# Allegro board SG2042_EVB_V2_0.brd (continued)
## Routing (per net, layer and track width the routed paths; a pad name or vN(x,y) marks a point on that pad's centre or on a via; arc(x,y) is an arc through that point) (continued)
DDR0_DQ43: length 58
  TOP w0.173: U1.BR55 v1(143.75,194.05)
  BOTTOM w0.173: J1.260 180.42,181.53 arc(179.88,181.42) 179.42,181.11 179.35,181.03 arc(178.95,180.77) 178.48,180.68 178.44,180.68 arc(177.98,180.77) 177.58,181.03 177.5,181.11 arc(177.04,181.42) 176.5,181.52 175.72,181.52 arc(175.18,181.42) 174.73,181.11 174.7,181.09 arc(174.24,180.78) 173.7,180.68 172.92,180.68 arc(172.38,180.78) 171.93,181.09 171.85,181.17 arc(171.45,181.43) 170.98,181.52 170.95,181.52 arc(170.48,181.43) 170.08,181.17 169.95,181.03 arc(169.55,180.77) 169.08,180.68 169.05,180.68 arc(168.58,180.77) 168.18,181.03 168.1,181.11 arc(167.64,181.42) 167.11,181.52 166.4,181.52 165.73,182.2 165.49,182.2 164.47,181.19 164.23,181.19 163.92,181.49 163.92,181.73 164.94,182.75 164.94,182.99 164.63,183.3 164.39,183.3 163.37,182.28 163.13,182.28 162.82,182.59 162.82,182.83 163.84,183.85 163.84,184.09 163.53,184.4 163.29,184.4 162.28,183.38 162.03,183.38 161.73,183.69 161.73,183.93 162.74,184.95 162.74,185.19 162.43,185.5 162.19,185.5 161.18,184.48 160.93,184.48 159.66,185.75 148.56,185.75 144.25,190.06 144.25,193.55 v1(143.75,194.05)
DDR0_DQ44: length 66.8
  TOP w0.173: U1.BN52 v1(140.75,196.05)
  BOTTOM w0.173: v1(140.75,196.05) 141.25,195.55 145.82,195.55 148.76,192.61 149,192.61 149.35,192.95 149.59,192.95 149.9,192.65 149.9,192.4 149.55,192.06 149.55,191.81 149.86,191.51 150.1,191.51 150.45,191.85 150.69,191.85 151,191.55 151,191.3 150.65,190.96 150.65,190.71 151.34,190.03 152.02,190.03 152.19,190.2 152.19,191.32 152.36,191.49 152.79,191.49 152.97,191.32 152.97,190.2 153.14,190.03 153.57,190.03 153.74,190.2 153.74,191.32 153.92,191.49 154.35,191.49 154.52,191.32 154.52,190.2 154.69,190.03 155.13,190.03 155.3,190.2 155.3,191.32 155.47,191.49 155.9,191.49 156.08,191.32 156.08,190.2 156.25,190.03 156.68,190.03 156.85,190.2 156.85,191.32 157.03,191.49 157.46,191.49 157.63,191.32 157.63,190.2 157.8,190.03 158.24,190.03 158.41,190.2 158.41,191.32 158.58,191.49 159.01,191.49 159.19,191.32 159.19,190.2 159.36,190.03 159.79,190.03 159.96,190.2 159.96,191.32 160.14,191.49 160.57,191.49 160.74,191.32 160.74,190.2 160.91,190.03 161.34,190.03 161.52,190.2 161.52,191.32 161.69,191.49 162.12,191.49 162.29,191.32 162.29,190.2 162.47,190.03 162.9,190.03 163.07,190.2 163.07,191.32 163.24,191.49 163.68,191.49 163.85,191.32 163.85,190.2 164.02,190.03 164.45,190.03 164.63,190.2 164.63,191.24 164.8,191.41 165.23,191.41 165.4,191.24 165.4,190.2 165.58,190.03 167.1,190.03 arc(167.64,189.92) 168.1,189.61 168.18,189.53 arc(168.58,189.27) 169.05,189.17 169.08,189.17 arc(169.55,189.27) 169.95,189.53 170.08,189.67 arc(170.48,189.93) 170.95,190.03 170.98,190.03 arc(171.45,189.93) 171.85,189.67 171.93,189.59 arc(172.38,189.28) 172.92,189.17 173.7,189.17 arc(174.24,189.28) 174.7,189.59 174.73,189.61 arc(175.18,189.92) 175.72,190.03 J1.106
DDR0_DQ45: length 65
  TOP w0.173: U1.BR52 v1(140.75,194.05)
  BOTTOM w0.173: J1.251 178.52,189.18 arc(177.98,189.07) 177.52,188.76 177.5,188.74 arc(177.04,188.43) 176.5,188.32 175.72,188.32 arc(175.18,188.22) 174.73,187.91 174.7,187.89 arc(174.24,187.58) 173.7,187.48 172.92,187.48 arc(172.38,187.58) 171.93,187.89 171.85,187.97 arc(171.45,188.23) 170.98,188.32 170.95,188.32 arc(170.48,188.23) 170.08,187.97 169.95,187.83 arc(169.55,187.57) 169.08,187.48 169.05,187.48 arc(168.58,187.57) 168.18,187.83 168.1,187.91 arc(167.64,188.22) 167.11,188.32 165.5,188.32 165.33,188.5 165.33,189.08 165.15,189.25 164.72,189.25 164.55,189.08 164.55,187.95 164.38,187.78 163.95,187.78 163.77,187.95 163.77,189.08 163.6,189.25 163.17,189.25 163,189.08 163,187.95 162.82,187.78 162.39,187.78 162.22,187.95 162.22,189.08 162.05,189.25 161.61,189.25 161.44,189.08 161.44,187.95 161.27,187.78 160.84,187.78 160.66,187.95 160.66,189.08 160.49,189.25 160.06,189.25 159.89,189.08 159.89,187.95 159.71,187.78 159.28,187.78 159.11,187.95 159.11,189.08 158.94,189.25 158.5,189.25 158.33,189.08 158.33,187.95 158.16,187.78 157.73,187.78 157.55,187.95 157.55,189.08 157.38,189.25 156.95,189.25 156.78,189.08 156.78,187.95 156.6,187.78 156.17,187.78 156,187.95 156,189.08 155.83,189.25 155.4,189.25 155.22,189.08 155.22,187.95 155.05,187.78 154.62,187.78 154.45,187.95 154.45,189.08 154.27,189.25 153.84,189.25 153.67,189.08 153.67,187.95 153.5,187.78 153.06,187.78 152.89,187.95 152.89,189.08 152.72,189.25 151.02,189.25 145.72,194.55 141.25,194.55 v1(140.75,194.05)
DDR0_DQ46: length 59.1
  TOP w0.173: U1.BT53 v1(141.75,193.05)
  ART14 w0.15: v1(141.75,193.05) 141.41,192.71 141.41,190.23 154.93,176.71 159.89,176.71 162.24,179.05 162.24,179.27 161.4,180.11 161.4,180.32 161.7,180.62 161.91,180.62 162.75,179.78 162.97,179.78 163.27,180.08 163.27,180.3 162.43,181.14 162.43,181.35 162.73,181.65 162.94,181.65 163.78,180.81 164,180.81 164.3,181.11 164.3,181.33 163.46,182.17 163.46,182.38 163.76,182.68 163.97,182.68 164.81,181.84 165.02,181.84 165.33,182.14 165.33,182.35 164.49,183.2 164.49,183.41 164.79,183.71 165,183.71 165.84,182.87 166.05,182.87 166.41,183.22 167.1,183.22 arc(167.64,183.12) 168.1,182.81 168.18,182.74 arc(168.58,182.47) 169.05,182.38 169.08,182.38 arc(169.55,182.47) 169.95,182.74 170.08,182.86 arc(170.48,183.13) 170.95,183.22 170.98,183.22 arc(171.45,183.13) 171.85,182.86 171.92,182.79 arc(172.38,182.48) 172.92,182.38 173.82,182.38 arc(174.92,182.59) 175.85,183.21 J1.113
DDR0_DQ47: length 59.3
  TOP w0.173: U1.BT52 v1(140.75,193.05)
  ART14 w0.15: J1.258 182.11,183.22 180.42,183.22 arc(179.88,183.12) 179.42,182.81 179.35,182.74 arc(178.95,182.47) 178.48,182.38 178.45,182.38 arc(177.98,182.28) 177.58,182.01 177.5,181.94 arc(177.04,181.63) 176.5,181.52 175.72,181.52 arc(175.18,181.42) 174.72,181.11 174.7,181.09 arc(174.24,180.78) 173.7,180.68 172.92,180.68 arc(172.38,180.78) 171.92,181.09 171.85,181.16 arc(171.45,181.43) 170.98,181.52 170.95,181.52 arc(170.48,181.43) 170.08,181.16 169.95,181.04 arc(169.55,180.77) 169.08,180.68 169.05,180.68 arc(168.58,180.77) 168.18,181.04 168.1,181.11 arc(167.64,181.42) 167.1,181.52 166.41,181.52 165.67,180.79 165.67,180.57 166.13,180.11 166.13,179.9 165.83,179.6 165.62,179.6 165.16,180.06 164.95,180.06 164.64,179.76 164.64,179.54 165.11,179.08 165.11,178.87 164.8,178.57 164.59,178.57 164.13,179.03 163.92,179.03 163.61,178.73 163.61,178.52 164.08,178.05 164.08,177.84 163.77,177.54 163.56,177.54 163.1,178 162.89,178 160.93,176.05 154.66,176.05 140.75,189.96 v1(140.75,193.05)
DDR0_DQ48: length 66.3
  TOP w0.173: U1.BH51 v1(139.75,201.05)
  ART05 w0.135: v1(139.75,201.05) 140.25,200.55 144.97,200.55 145.33,200.91 148.45,200.91 149.73,199.63 149.92,199.63 150.69,200.4 150.88,200.4 151.18,200.11 151.18,199.92 150.4,199.14 150.4,198.95 150.7,198.66 150.89,198.66 151.66,199.43 151.85,199.43 152.15,199.13 152.15,198.94 151.37,198.17 151.37,197.98 151.67,197.69 151.86,197.69 152.63,198.46 152.82,198.46 153.12,198.16 153.12,197.97 152.34,197.2 152.34,197.01 152.64,196.72 152.83,196.72 153.6,197.49 153.79,197.49 154.09,197.19 154.09,197 153.31,196.23 153.31,196.04 153.61,195.75 153.8,195.75 154.57,196.52 154.76,196.52 155.06,196.22 155.06,196.03 154.28,195.26 154.28,195.07 154.58,194.77 154.77,194.77 155.54,195.55 155.73,195.55 156.03,195.25 156.03,195.06 155.25,194.29 155.25,194.1 155.55,193.8 155.74,193.8 156.51,194.58 156.7,194.58 157,194.28 157,194.09 156.22,193.32 156.22,193.13 164.92,184.43 164.92,181.18 166.28,179.82 167.13,179.82 arc(167.65,179.72) 168.08,179.43 168.18,179.34 arc(168.58,179.07) 169.05,178.98 169.08,178.98 arc(169.55,179.07) 169.95,179.34 170.08,179.46 arc(170.48,179.73) 170.95,179.82 170.98,179.82 arc(171.45,179.73) 171.85,179.46 171.92,179.39 arc(172.38,179.08) 172.93,178.98 J1.119
DDR0_DQ49: length 65.2
  TOP w0.173: U1.BH52 v1(140.75,201.05)
  ART05 w0.135: J1.264 180.42,178.13 arc(179.88,178.23) 179.42,178.54 179.35,178.61 arc(178.95,178.88) 178.48,178.98 178.45,178.98 arc(177.98,179.07) 177.57,179.34 177.5,179.41 arc(177.04,179.72) 176.5,179.82 175.73,179.82 arc(175.18,179.93) 174.72,180.24 174.7,180.26 arc(174.24,180.57) 173.7,180.68 172.93,180.68 arc(172.38,180.78) 171.92,181.09 171.85,181.16 arc(171.45,181.43) 170.98,181.52 170.95,181.52 arc(170.48,181.43) 170.08,181.16 169.95,181.04 arc(169.55,180.77) 169.08,180.68 169.05,180.68 arc(168.58,180.77) 168.18,181.04 168.1,181.11 arc(167.64,181.42) 167.1,181.52 166.4,181.52 165.55,182.38 165.55,184.69 165.43,184.81 162.68,187.57 162.68,187.76 163.31,188.39 163.31,188.58 163.02,188.88 162.82,188.88 162.19,188.24 162,188.24 161.71,188.54 161.71,188.73 162.34,189.36 162.34,189.55 162.04,189.85 161.85,189.85 161.22,189.21 161.03,189.21 160.74,189.51 160.74,189.7 161.37,190.33 161.37,190.52 161.07,190.82 160.88,190.82 160.25,190.18 160.06,190.18 159.77,190.48 159.77,190.67 160.4,191.3 160.4,191.49 160.1,191.79 159.91,191.79 159.28,191.15 159.09,191.15 158.8,191.45 158.8,191.64 159.43,192.27 159.43,192.46 159.13,192.76 158.94,192.76 158.31,192.12 158.12,192.12 157.83,192.42 157.83,192.61 158.6,193.38 158.6,193.57 150.62,201.55 141.25,201.55 v1(140.75,201.05)
DDR0_DQ50: length 64
  TOP w0.173: U1.BJ52 v1(140.75,200.05)
  ART07 w0.135: v1(140.75,200.05) 141.25,199.55 145.08,199.55 158.72,185.91 158.91,185.91 159.84,186.83 160.03,186.83 160.32,186.54 160.32,186.35 159.4,185.42 159.4,185.23 159.69,184.94 159.88,184.94 160.81,185.86 161,185.86 161.29,185.57 161.29,185.38 160.37,184.45 160.37,184.26 160.66,183.97 160.85,183.97 161.78,184.89 161.97,184.89 162.26,184.6 162.26,184.41 161.34,183.48 161.34,183.29 162.24,182.39 162.24,178.91 162.81,178.34 163,178.34 163.26,178.61 163.45,178.61 163.75,178.31 163.75,178.12 163.48,177.86 163.48,177.67 163.78,177.37 163.97,177.37 164.23,177.64 164.42,177.64 164.72,177.34 164.72,177.15 164.45,176.89 164.45,176.7 164.75,176.4 164.94,176.4 165.2,176.67 165.39,176.67 165.69,176.37 165.69,176.18 165.42,175.92 165.42,175.72 166.42,174.73 167.13,174.73 arc(167.67,174.62) 168.13,174.31 168.22,174.23 arc(168.61,173.97) 169.06,173.87 169.09,173.87 arc(169.55,173.97) 169.94,174.23 170.08,174.36 arc(170.48,174.63) 170.95,174.73 170.98,174.73 arc(171.45,174.63) 171.85,174.36 171.92,174.29 arc(172.38,173.98) 172.93,173.87 173.7,173.87 arc(174.24,173.98) 174.7,174.29 174.72,174.31 arc(175.18,174.62) 175.73,174.73 176.23,174.73 arc(177.02,174.57) 177.69,174.12 177.98,173.84 arc(178.22,173.46) J1.126
DDR0_DQ51: length 63
  TOP w0.173: U1.BL51 v1(139.75,198.05)
  ART07 w0.135: v1(139.75,198.05) 140.25,198.55 144.97,198.55 161.61,181.9 161.61,177.83 162.17,177.28 162.17,177.09 161.61,176.53 161.61,176.34 161.91,176.04 162.1,176.04 162.65,176.6 162.84,176.6 163.14,176.31 163.14,176.12 162.58,175.56 162.58,175.37 162.88,175.07 163.07,175.07 163.63,175.63 163.82,175.63 164.11,175.34 164.11,175.15 163.55,174.59 163.55,174.4 163.85,174.1 164.04,174.1 164.6,174.66 164.79,174.66 165.08,174.37 165.08,174.18 164.52,173.62 164.52,173.43 164.82,173.13 165.01,173.13 165.57,173.69 165.76,173.69 166.42,173.03 167.1,173.03 arc(167.64,172.92) 168.1,172.61 168.18,172.54 arc(168.58,172.27) 169.05,172.17 169.08,172.17 arc(169.55,172.27) 169.95,172.54 170.08,172.66 arc(170.48,172.93) 170.95,173.03 170.98,173.03 arc(171.45,172.93) 171.85,172.66 171.92,172.59 arc(172.38,172.28) 172.93,172.17 173.7,172.17 arc(174.24,172.28) 174.7,172.59 174.72,172.61 arc(175.18,172.92) 175.73,173.03 176.5,173.03 arc(177.04,172.92) 177.5,172.61 177.52,172.59 arc(177.98,172.28) 178.52,172.18 J1.271
DDR0_DQ52: length 72
  TOP w0.173: U1.BH49 v1(137.75,201.05)
  ART07 w0.135: J1.117 172.93,180.68 arc(172.38,180.78) 171.92,181.09 171.85,181.16 arc(171.45,181.43) 170.98,181.52 170.95,181.52 arc(170.48,181.43) 170.08,181.16 169.95,181.04 arc(169.55,180.77) 169.08,180.68 169.05,180.68 arc(168.58,180.77) 168.18,181.04 168.08,181.13 arc(167.65,181.42) 167.13,181.52 166.4,181.52 165.23,182.7 165.23,184.53 161.82,187.94 161.82,188.13 162.64,188.94 162.64,189.13 162.34,189.42 162.15,189.42 161.34,188.61 161.15,188.61 160.85,188.91 160.85,189.1 161.67,189.91 161.67,190.1 161.37,190.39 161.18,190.39 160.37,189.58 160.18,189.58 159.88,189.88 159.88,190.07 160.7,190.88 160.7,191.07 160.4,191.36 160.21,191.36 159.4,190.55 159.21,190.55 158.91,190.85 158.91,191.04 159.73,191.85 159.73,192.04 159.43,192.33 159.24,192.33 158.43,191.52 158.24,191.52 157.94,191.82 157.94,192.01 158.76,192.82 158.76,193.01 158.46,193.31 158.27,193.31 157.46,192.49 157.27,192.49 156.97,192.79 156.97,192.98 157.79,193.79 157.79,193.98 157.49,194.28 157.3,194.28 156.49,193.46 156.3,193.46 156,193.76 156,193.95 156.82,194.76 156.82,194.95 156.52,195.25 156.33,195.25 155.52,194.43 155.33,194.43 155.03,194.73 155.03,194.92 155.85,195.73 155.85,195.92 155.55,196.22 155.36,196.22 154.55,195.4 154.36,195.4 154.06,195.7 154.06,195.89 154.87,196.7 154.87,196.89 150.22,201.55 138.25,201.55 v1(137.75,201.05)
DDR0_DQ53: length 68.5
  TOP w0.173: U1.BM50 v1(138.75,197.05)
  ART07 w0.135: v1(138.75,197.05) 139.25,197.55 139.25,200.26 139.54,200.55 148.32,200.55 149.23,199.64 149.42,199.64 150.2,200.43 150.4,200.43 150.69,200.13 150.69,199.94 149.9,199.16 149.9,198.97 150.2,198.67 150.39,198.67 151.18,199.46 151.37,199.46 151.66,199.16 151.66,198.97 150.87,198.19 150.87,198 151.17,197.7 151.36,197.7 152.15,198.49 152.34,198.49 152.63,198.19 152.63,198 151.84,197.22 151.84,197.03 152.14,196.73 152.33,196.73 153.12,197.52 153.31,197.52 153.6,197.22 153.6,197.03 152.81,196.25 152.81,196.06 164.6,184.27 164.6,181.63 166.4,179.82 167.13,179.82 arc(167.65,179.72) 168.08,179.43 168.18,179.34 arc(168.58,179.07) 169.05,178.98 169.08,178.98 arc(169.55,179.07) 169.95,179.34 170.08,179.46 arc(170.48,179.73) 170.95,179.82 170.98,179.82 arc(171.45,179.73) 171.85,179.46 171.92,179.39 arc(172.38,179.08) 172.93,178.98 173.7,178.98 arc(174.24,179.08) 174.7,179.39 174.72,179.41 arc(175.18,179.72) 175.73,179.82 176.5,179.82 arc(177.04,179.93) 177.5,180.24 177.57,180.31 arc(177.98,180.58) 178.45,180.68 178.48,180.68 arc(178.95,180.58) 179.35,180.31 179.42,180.24 arc(179.88,179.93) 180.42,179.83 J1.262
DDR0_DQ54: length 70.2
  TOP w0.173: U1.BL49 v1(137.75,198.05)
  ART05 w0.135: J1.124 175.73,174.73 arc(175.18,174.62) 174.72,174.31 174.7,174.29 arc(174.24,173.98) 173.7,173.87 172.93,173.87 arc(172.38,173.98) 171.92,174.29 171.85,174.36 arc(171.45,174.63) 170.98,174.73 170.95,174.73 arc(170.48,174.63) 170.08,174.36 169.95,174.24 arc(169.55,173.97) 169.08,173.87 169.05,173.87 arc(168.58,173.97) 168.18,174.24 168.1,174.31 arc(167.64,174.62) 167.1,174.73 166.4,174.73 161.88,179.24 161.88,183.17 159.05,186.01 157.6,186.01 156.97,186.64 156.78,186.64 156.38,186.23 156.19,186.23 155.89,186.53 155.89,186.72 156.3,187.12 156.3,187.31 156,187.61 155.81,187.61 155.41,187.2 155.22,187.2 154.92,187.5 154.92,187.69 155.33,188.09 155.33,188.28 155.03,188.58 154.84,188.58 154.44,188.17 154.25,188.17 153.95,188.47 153.95,188.66 154.35,189.06 154.35,189.25 154.06,189.55 153.87,189.55 153.47,189.14 153.28,189.14 152.98,189.44 152.98,189.63 153.38,190.03 153.38,190.22 153.09,190.52 152.9,190.52 152.5,190.11 152.31,190.11 152.01,190.41 152.01,190.6 152.41,191 152.41,191.19 152.12,191.49 151.93,191.49 151.53,191.08 151.34,191.08 151.04,191.38 151.04,191.57 151.44,191.97 151.44,192.16 151.15,192.46 150.96,192.46 150.56,192.05 150.37,192.05 150.07,192.35 150.07,192.54 150.47,192.94 150.47,193.13 150.18,193.43 149.99,193.43 149.59,193.02 149.4,193.02 149.1,193.32 149.1,193.51 149.5,193.91 149.5,194.1 149.21,194.4 149.02,194.4 148.62,194 148.43,194 148.13,194.29 148.13,194.48 148.53,194.88 148.53,195.07 148.24,195.37 148.05,195.37 147.65,194.97 147.45,194.97 147.16,195.26 147.16,195.45 147.56,195.85 147.56,196.04 147.27,196.34 147.08,196.34 146.68,195.94 146.48,195.94 146.19,196.23 146.19,196.42 146.82,197.05 146.82,197.24 146.53,197.54 146.34,197.54 145.7,196.91 145.51,196.91 144.87,197.55 138.25,197.55 v1(137.75,198.05)
DDR0_DQ55: length 67.7
  TOP w0.173: U1.BM52 v1(140.75,197.05)
  ART05 w0.135: J1.269 178.52,173.88 arc(177.98,173.77) 177.52,173.46 177.5,173.44 arc(177.04,173.13) 176.5,173.03 175.73,173.03 arc(175.18,172.92) 174.72,172.61 174.7,172.59 arc(174.24,172.28) 173.7,172.17 172.93,172.17 arc(172.38,172.28) 171.92,172.59 171.85,172.66 arc(171.45,172.93) 170.98,173.03 170.95,173.03 arc(170.48,172.93) 170.08,172.66 169.95,172.54 arc(169.55,172.27) 169.08,172.17 169.05,172.17 arc(168.58,172.27) 168.18,172.54 168.1,172.61 arc(167.64,172.92) 167.1,173.03 166.42,173.03 161.25,178.2 161.25,182.69 158.56,185.38 156.15,185.38 151.15,190.38 150.96,190.38 150.09,189.5 149.9,189.5 149.6,189.79 149.6,189.98 150.48,190.86 150.48,191.05 150.18,191.35 149.99,191.35 149.12,190.47 148.93,190.47 148.63,190.77 148.63,190.96 149.51,191.83 149.51,192.02 149.21,192.32 149.02,192.32 148.14,191.44 147.96,191.44 147.66,191.74 147.66,191.93 148.54,192.8 148.54,192.99 148.24,193.29 148.05,193.29 147.17,192.41 146.98,192.41 146.69,192.71 146.69,192.9 147.57,193.77 147.57,193.96 147.27,194.26 147.08,194.26 146.25,193.43 146.2,193.38 146.01,193.38 145.72,193.68 145.72,193.87 146.25,194.4 146.6,194.74 146.6,194.93 144.98,196.55 141.25,196.55 v1(140.75,197.05)
DDR0_DQ56: length 66.9
  TOP w0.173: U1.BP51 v1(139.75,195.05)
  ART05 w0.135: v1(139.75,195.05) 140.25,194.55 140.25,192.82 146.18,186.89 146.18,186.7 145.47,185.99 145.47,185.8 145.76,185.51 145.95,185.51 146.66,186.22 146.85,186.22 147.15,185.92 147.15,185.73 146.44,185.02 146.44,184.83 146.73,184.54 146.92,184.54 147.63,185.25 147.82,185.25 148.12,184.95 148.12,184.76 147.41,184.05 147.41,183.86 147.7,183.57 147.89,183.57 148.6,184.28 148.79,184.28 149.09,183.98 149.09,183.79 148.38,183.08 148.38,182.89 148.67,182.6 148.86,182.6 149.57,183.31 149.76,183.31 150.06,183.01 150.06,182.82 149.35,182.11 149.35,181.92 149.64,181.63 149.83,181.63 150.54,182.34 150.73,182.34 151.03,182.04 151.03,181.85 150.32,181.14 150.32,180.95 150.61,180.66 150.8,180.66 151.51,181.37 151.7,181.37 152,181.07 152,180.88 151.29,180.17 151.29,179.98 154.55,176.72 156.88,176.72 162.28,171.33 167.1,171.33 arc(167.64,171.22) 168.1,170.91 168.18,170.84 arc(168.58,170.57) 169.05,170.47 169.08,170.47 arc(169.55,170.57) 169.95,170.84 170.08,170.96 arc(170.48,171.23) 170.95,171.33 170.98,171.33 arc(171.45,171.23) 171.85,170.96 171.92,170.89 arc(172.38,170.58) 172.93,170.47 173.7,170.47 arc(174.24,170.58) 174.7,170.89 174.72,170.91 arc(175.18,171.22) 175.73,171.33 176.23,171.33 arc(177.02,171.17) 177.69,170.72 177.98,170.44 arc(178.22,170.06) J1.130
DDR0_DQ57: length 68.2
  TOP w0.173: U1.BN50 v1(138.75,196.05)
  ART05 w0.135: J1.275 178.52,168.78 arc(177.98,168.88) 177.52,169.19 177.5,169.21 arc(177.04,169.52) 176.5,169.63 175.73,169.63 arc(175.18,169.52) 174.72,169.21 174.7,169.19 arc(174.24,168.88) 173.7,168.77 172.93,168.77 arc(172.38,168.88) 171.92,169.19 171.85,169.26 arc(171.45,169.53) 170.98,169.63 170.95,169.63 arc(170.48,169.53) 170.08,169.26 169.95,169.14 arc(169.55,168.87) 169.08,168.77 169.05,168.77 arc(168.58,168.87) 168.18,169.14 168.1,169.21 arc(167.64,169.52) 167.1,169.63 163.09,169.63 156.62,176.09 154.29,176.09 144.34,186.04 144.34,186.23 145.04,186.92 145.04,187.11 144.75,187.41 144.56,187.41 143.86,186.71 143.67,186.71 143.37,187.01 143.37,187.2 144.07,187.89 144.07,188.08 143.78,188.38 143.59,188.38 142.89,187.68 142.7,187.68 142.4,187.98 142.4,188.17 143.1,188.86 143.1,189.05 142.81,189.35 142.62,189.35 141.92,188.65 141.73,188.65 141.43,188.95 141.43,189.14 142.13,189.83 142.13,190.02 141.84,190.32 141.65,190.32 140.95,189.62 140.76,189.62 140.46,189.92 140.46,190.11 141.16,190.8 141.16,190.99 140.87,191.29 140.68,191.29 139.98,190.59 139.79,190.59 139.25,191.13 139.25,195.55 v1(138.75,196.05)
DDR0_DQ58: length 65.4
  TOP w0.173: U1.BR51 v1(139.75,194.05)
  ART07 w0.135: J1.137 172.93,163.68 arc(172.38,163.78) 171.92,164.09 171.85,164.16 arc(171.45,164.43) 170.98,164.52 170.95,164.52 arc(170.48,164.43) 170.08,164.16 169.95,164.04 arc(169.55,163.77) 169.08,163.68 169.05,163.68 arc(168.58,163.77) 168.18,164.04 168.1,164.11 arc(167.64,164.42) 167.1,164.52 161.57,164.52 160.76,165.33 160.76,165.52 161.41,166.16 161.41,166.35 161.11,166.65 160.92,166.65 160.28,166 160.09,166 159.79,166.3 159.79,166.49 160.44,167.13 160.44,167.32 160.14,167.62 159.95,167.62 159.31,166.97 159.12,166.97 158.82,167.27 158.82,167.46 159.47,168.1 159.47,168.3 159.17,168.59 158.98,168.59 158.34,167.94 158.15,167.94 157.85,168.24 157.85,168.43 158.5,169.07 158.5,169.27 158.2,169.56 158.01,169.56 157.37,168.92 157.18,168.92 156.88,169.21 156.88,169.4 157.53,170.05 157.53,170.24 157.23,170.53 157.04,170.53 156.4,169.89 156.21,169.89 140.25,185.84 140.25,193.55 v1(139.75,194.05)
DDR0_DQ59: length 66.1
  TOP w0.173: U1.BR50 v1(138.75,194.05)
  ART07 w0.135: v1(138.75,194.05) 139.25,193.55 139.25,185.95 162.37,162.82 163.34,162.82 163.48,162.96 163.48,163.64 163.61,163.78 164.03,163.78 164.16,163.64 164.16,162.96 164.3,162.82 164.72,162.82 164.85,162.96 164.85,163.64 164.98,163.78 165.4,163.78 165.54,163.64 165.54,162.96 165.67,162.82 167.1,162.82 arc(167.64,162.72) 168.1,162.41 168.18,162.34 arc(168.58,162.07) 169.05,161.98 169.08,161.98 arc(169.55,162.07) 169.95,162.34 170.08,162.46 arc(170.48,162.73) 170.95,162.82 170.98,162.82 arc(171.45,162.73) 171.85,162.46 171.92,162.39 arc(172.38,162.08) 172.93,161.98 173.7,161.98 arc(174.24,162.08) 174.7,162.39 174.72,162.41 arc(175.18,162.72) 175.73,162.82 176.5,162.82 arc(177.04,162.72) 177.5,162.41 177.57,162.34 arc(177.98,162.07) 178.45,161.98 178.48,161.98 arc(178.95,162.07) 179.35,162.34 179.42,162.41 arc(179.88,162.72) 180.42,162.82 182.11,162.82 J1.282
DDR0_DQ60: length 73.9
  TOP w0.173: U1.BN47 v1(135.75,196.05)
  ART07 w0.135: J1.128 175.73,171.33 arc(175.18,171.22) 174.72,170.91 174.7,170.89 arc(174.24,170.58) 173.7,170.47 172.93,170.47 arc(172.38,170.58) 171.92,170.89 171.85,170.96 arc(171.45,171.23) 170.98,171.33 170.95,171.33 arc(170.48,171.23) 170.08,170.96 169.95,170.84 arc(169.55,170.57) 169.08,170.47 169.05,170.47 arc(168.58,170.57) 168.18,170.84 168.1,170.91 arc(167.64,171.22) 167.1,171.33 159.49,171.33 147.65,183.16 147.65,185.06 147.25,185.47 147.25,185.66 148.26,186.68 148.26,186.87 147.97,187.16 147.78,187.16 146.76,186.15 146.57,186.15 146.28,186.44 146.28,186.63 147.29,187.65 147.29,187.84 147,188.13 146.81,188.13 145.79,187.12 145.6,187.12 145.31,187.41 145.31,187.6 146.32,188.62 146.32,188.81 146.03,189.1 145.84,189.1 144.82,188.09 144.63,188.09 144.34,188.38 144.34,188.57 145.35,189.59 145.35,189.78 145.06,190.07 144.87,190.07 143.85,189.06 143.66,189.06 143.37,189.35 143.37,189.54 144.38,190.56 144.38,190.75 144.09,191.04 143.9,191.04 142.88,190.03 142.69,190.03 142.25,190.47 142.25,195.26 141.96,195.55 136.25,195.55 v1(135.75,196.05)
DDR0_DQ61: length 72.3
  TOP w0.173: U1.BR47 v1(135.75,194.05)
  ART07 w0.135: v1(135.75,194.05) 136.25,194.55 140.96,194.55 141.25,194.26 141.25,188.67 141.71,188.22 141.9,188.22 142.66,188.98 142.85,188.98 143.14,188.68 143.14,188.49 142.38,187.73 142.38,187.54 142.68,187.25 142.87,187.25 143.63,188.01 143.82,188.01 144.11,187.71 144.11,187.52 143.35,186.76 143.35,186.57 143.65,186.28 143.84,186.28 144.6,187.04 144.79,187.04 145.08,186.74 145.08,186.55 144.32,185.79 144.32,185.6 144.62,185.31 144.81,185.31 145.57,186.07 145.76,186.07 146.05,185.77 146.05,185.58 145.29,184.82 145.29,184.63 145.59,184.34 145.78,184.34 146.54,185.1 146.73,185.1 147.02,184.8 147.02,184.61 146.26,183.85 146.26,183.66 160.3,169.63 167.1,169.63 arc(167.64,169.52) 168.1,169.21 168.18,169.14 arc(168.58,168.87) 169.05,168.77 169.08,168.77 arc(169.55,168.87) 169.95,169.14 170.08,169.26 arc(170.48,169.53) 170.95,169.63 170.98,169.63 arc(171.45,169.53) 171.85,169.26 171.92,169.19 arc(172.38,168.88) 172.93,168.77 173.7,168.77 arc(174.24,168.88) 174.7,169.19 174.72,169.21 arc(175.18,169.52) 175.73,169.63 176.5,169.63 arc(177.04,169.73) 177.5,170.04 177.52,170.06 arc(177.98,170.37) 178.52,170.48 J1.273
DDR0_DQ62: length 71.6
  TOP w0.173: U1.BT48 v1(136.75,193.05)
  ART05 w0.135: v1(136.75,193.05) 135.9,192.2 135.9,191.61 135.89,191.61 135.89,189.74 153.96,171.67 153.96,171.48 153.3,170.82 153.3,170.63 153.59,170.33 153.78,170.33 154.45,171 154.64,171 154.93,170.7 154.93,170.51 154.27,169.85 154.27,169.66 154.56,169.36 154.75,169.36 155.42,170.03 155.61,170.03 155.9,169.73 155.9,169.54 155.24,168.88 155.24,168.69 155.53,168.39 155.72,168.39 156.39,169.06 156.58,169.06 156.87,168.76 156.87,168.57 156.21,167.91 156.21,167.72 156.51,167.42 156.7,167.42 157.36,168.09 157.55,168.09 157.84,167.79 157.84,167.6 157.18,166.94 157.18,166.75 157.48,166.45 157.67,166.45 158.33,167.11 158.52,167.11 158.81,166.82 158.81,166.63 158.15,165.97 158.15,165.78 158.45,165.48 158.64,165.48 159.3,166.14 159.49,166.14 159.78,165.85 159.78,165.66 159.12,165 159.12,164.81 159.42,164.51 159.61,164.51 160.27,165.17 160.46,165.17 161.11,164.52 167.1,164.52 arc(167.64,164.42) 168.1,164.11 168.18,164.04 arc(168.58,163.77) 169.05,163.68 169.08,163.68 arc(169.55,163.77) 169.95,164.04 170.08,164.16 arc(170.48,164.43) 170.95,164.52 170.98,164.52 arc(171.45,164.43) 171.85,164.16 171.92,164.09 arc(172.38,163.78) 172.93,163.68 173.9,163.68 arc(174.93,163.88) 175.8,164.46 J1.135
DDR0_DQ63: length 72.1
  TOP w0.173: U1.BT47 v1(135.75,193.05)
  ART05 w0.135: v1(135.75,193.05) 135.26,192.57 135.26,189.48 152.67,172.07 152.67,170.37 160.21,162.82 160.93,162.82 161.07,162.96 161.07,163.76 161.2,163.9 161.62,163.9 161.75,163.76 161.75,162.96 161.89,162.82 162.3,162.82 162.44,162.96 162.44,163.76 162.57,163.9 162.99,163.9 163.12,163.76 163.12,162.96 163.26,162.82 163.68,162.82 163.81,162.96 163.81,163.76 163.95,163.9 164.36,163.9 164.5,163.76 164.5,162.96 164.63,162.82 165.05,162.82 165.18,162.96 165.18,163.76 165.32,163.9 165.73,163.9 165.87,163.76 165.87,162.96 166,162.82 167.1,162.82 arc(167.64,162.72) 168.1,162.41 168.18,162.34 arc(168.58,162.07) 169.05,161.98 169.08,161.98 arc(169.55,162.07) 169.95,162.34 170.08,162.46 arc(170.48,162.73) 170.95,162.82 170.98,162.82 arc(171.45,162.73) 171.85,162.46 171.92,162.39 arc(172.38,162.08) 172.93,161.98 173.7,161.98 arc(174.24,162.08) 174.7,162.39 174.72,162.41 arc(175.18,162.72) 175.73,162.82 176.5,162.82 arc(177.04,162.93) 177.5,163.24 177.57,163.31 arc(177.98,163.58) 178.45,163.68 178.48,163.68 arc(178.95,163.77) 179.35,164.04 179.42,164.11 arc(179.88,164.42) 180.42,164.53 J1.280
DDR0_DQS0_N: length 90.7
  TOP w0.127: U1.AK53 v1(141.75,219.05)
  ART14 w0.122: 146.46,220.13 146.46,220.1 146.02,219.66 142.27,219.66 142.04,219.42 142.04,219.34 v1(141.75,219.05)
  ART14 w0.135: 146.46,220.13 147.96,221.62 147.96,261.59 164.92,278.56 167.15,278.56 arc(167.7,278.45) 168.16,278.14 168.27,278.03 arc(168.63,277.79) 169.05,277.71 169.08,277.71 arc(169.5,277.79) 169.86,278.03 169.99,278.16 arc(170.43,278.45) 170.95,278.56 170.98,278.56 arc(171.5,278.45) 171.94,278.16 172.05,278.05 arc(172.43,277.79) 172.88,277.71 173.75,277.71 arc(174.2,277.79) 174.58,278.05 174.66,278.14 arc(175.13,278.45) 175.68,278.56 176.55,278.56 arc(177.1,278.45) 177.56,278.14 177.67,278.03 arc(178.03,277.79) 178.45,277.71 178.48,277.71 arc(178.9,277.79) 179.25,278.03 179.36,278.14 arc(179.83,278.45) 180.38,278.56 180.98,278.56 arc(181.16,278.55) 181.35,278.53 J1.152
DDR0_DQS0_P: length 90.6
  TOP w0.127: U1.AK54 v1(142.75,219.05)
  ART14 w0.122: 146.65,219.95 146.63,219.92 146.59,219.92 146.11,219.44 142.36,219.44 142.25,219.34 142.25,219.17 142.37,219.05 v1(142.75,219.05)
  ART14 w0.135: J1.153 181.03,277.85 arc(181.14,277.98) 181.12,278.15 181.12,278.16 arc(181.03,278.26) 180.9,278.29 180.38,278.29 arc(179.93,278.21) 179.55,277.95 179.44,277.84 arc(179,277.55) 178.48,277.44 178.45,277.44 arc(177.93,277.55) 177.48,277.84 177.38,277.95 arc(177,278.21) 176.55,278.29 175.68,278.29 arc(175.23,278.21) 174.85,277.95 174.76,277.86 arc(174.3,277.55) 173.75,277.44 172.88,277.44 arc(172.33,277.55) 171.87,277.86 171.76,277.97 arc(171.4,278.21) 170.98,278.29 170.95,278.29 arc(170.53,278.21) 170.17,277.97 170.04,277.84 arc(169.6,277.55) 169.08,277.44 169.05,277.44 arc(168.53,277.55) 168.09,277.84 167.98,277.95 arc(167.6,278.21) 167.15,278.29 165.03,278.29 148.22,261.48 148.22,221.52 146.65,219.95
DDR0_DQS1_N: length 87.1
  TOP w0.127: U1.AR54 v1(142.75,214.05)
  ART14 w0.122: 146.91,214.56 146.88,214.56 146.86,214.59 145.69,214.59 145.55,214.44 142.37,214.44 142.28,214.35 142.28,214.17 142.4,214.05 v1(142.75,214.05)
  ART14 w0.135: 146.91,214.56 149.01,214.56 153.69,219.25 153.69,245.28 159.02,250.6 164.35,255.93 164.35,266.02 166.42,268.09 167.15,268.09 arc(167.6,268.01) 167.98,267.75 168.09,267.64 arc(168.53,267.35) 169.05,267.24 169.08,267.24 arc(169.6,267.35) 170.04,267.64 170.17,267.77 arc(170.53,268.01) 170.95,268.09 170.98,268.09 arc(171.4,268.01) 171.76,267.77 171.86,267.67 arc(172.32,267.36) 172.87,267.25 173.76,267.25 arc(174.3,267.36) 174.76,267.67 174.85,267.76 arc(175.23,268.01) 175.67,268.09 176.55,268.09 arc(177.1,268.2) 177.56,268.51 177.7,268.66 arc(178.02,268.87) 178.4,268.94 178.52,268.94 arc(179,269.04) 179.41,269.31 179.57,269.47 arc(179.93,269.71) 180.35,269.79 180.41,269.79 arc(180.8,269.72) 181.13,269.49 181.44,269.18 arc(181.52,269.04) 181.49,268.88 181.49,268.87 arc(181.32,268.74) 181.11,268.76 J1.163
DDR0_DQS1_P: length 87.2
  TOP w0.127: U1.AR53 v1(141.75,214.05)
  ART14 w0.122: v1(141.75,214.05) 142.06,214.36 142.06,214.43 142.29,214.66 145.46,214.66 145.61,214.8 146.86,214.8 146.88,214.82 146.91,214.82
  ART14 w0.135: J1.164 181.83,269.05 arc(181.75,269.22) 181.63,269.36 181.32,269.68 arc(180.9,269.96) 180.41,270.06 180.35,270.06 arc(179.83,269.95) 179.38,269.66 179.22,269.49 arc(178.9,269.28) 178.52,269.21 178.4,269.21 arc(177.92,269.11) 177.52,268.84 177.38,268.7 arc(177,268.44) 176.55,268.36 175.67,268.36 arc(175.13,268.25) 174.67,267.94 174.58,267.85 arc(174.2,267.6) 173.76,267.51 172.87,267.51 arc(172.42,267.6) 172.05,267.85 171.94,267.96 arc(171.5,268.25) 170.98,268.36 170.95,268.36 arc(170.43,268.25) 169.99,267.96 169.86,267.83 arc(169.5,267.59) 169.08,267.51 169.05,267.51 arc(168.63,267.59) 168.27,267.83 168.16,267.94 arc(167.7,268.25) 167.15,268.36 166.31,268.36 164.08,266.13 164.08,256.04 158.83,250.79 153.43,245.38 153.43,219.36 148.9,214.82 146.91,214.82
DDR0_DQS2_N: length 72.1
  TOP w0.127: U1.AJ51 v1(139.75,220.05)
  ART05 w0.112: v1(139.75,220.05) 139.94,220.24 139.94,220.43 140.17,220.66 145.89,220.66 146.28,221.06 146.28,221.07
  ART05 w0.117: J1.174 181.31,259.83 arc(181.16,259.84) 181.01,259.85 180.38,259.85 arc(179.83,259.74) 179.37,259.43 179.26,259.32 arc(178.9,259.08) 178.48,259 178.45,259 arc(178.02,259.08) 177.66,259.32 177.55,259.44 arc(177.07,259.76) 176.51,259.87 175.72,259.87 arc(175.15,259.76) 174.68,259.44 174.6,259.36 arc(174.2,259.09) 173.73,259 172.88,259 arc(172.43,259.09) 172.04,259.35 171.94,259.45 arc(171.5,259.74) 170.98,259.85 170.95,259.85 arc(170.43,259.74) 169.99,259.45 169.86,259.32 arc(169.5,259.08) 169.08,259 169.05,259 arc(168.62,259.08) 168.26,259.32 168.1,259.48 arc(167.7,259.75) 167.23,259.85 166.31,259.85 150.24,243.77 150.24,225.03 146.28,221.07
DDR0_DQS2_P: length 72.2
  TOP w0.127: U1.AJ52 v1(140.75,220.05)
  ART05 w0.112: 146.46,220.9 146.44,220.9 145.98,220.44 140.27,220.44 140.16,220.33 140.16,220.16 140.27,220.05 v1(140.75,220.05)
  ART05 w0.117: J1.175 181.03,259.15 arc(181.13,259.28) 181.12,259.44 181.11,259.46 arc(181.02,259.57) 180.88,259.6 180.38,259.6 arc(179.92,259.51) 179.54,259.25 179.43,259.15 arc(178.99,258.86) 178.48,258.75 178.45,258.75 arc(177.93,258.86) 177.49,259.15 177.37,259.26 arc(176.98,259.53) 176.51,259.62 175.72,259.62 arc(175.25,259.53) 174.85,259.26 174.77,259.18 arc(174.29,258.86) 173.73,258.75 172.88,258.75 arc(172.33,258.86) 171.87,259.17 171.76,259.28 arc(171.4,259.52) 170.98,259.6 170.95,259.6 arc(170.52,259.52) 170.16,259.28 170.04,259.15 arc(169.6,258.86) 169.08,258.75 169.05,258.75 arc(168.53,258.86) 168.09,259.15 167.93,259.31 arc(167.61,259.53) 167.23,259.6 166.41,259.6 150.48,243.67 150.48,224.93 146.46,220.9
DDR0_DQS3_N: length 71.8
  TOP w0.127: U1.AR50 v1(138.75,214.05)
  ART05 w0.112: v1(138.75,214.05) 138.27,214.05 138.16,214.16 138.16,214.33 138.27,214.44 147.4,214.44 147.78,214.82 147.8,214.82
  ART05 w0.117: 147.8,214.82 155.73,222.75 155.73,235.81 164.51,244.59 164.51,247.49 166.42,249.4 167.23,249.4 arc(167.61,249.33) 167.93,249.11 168.09,248.95 arc(168.53,248.66) 169.05,248.55 169.08,248.55 arc(169.6,248.66) 170.04,248.95 170.16,249.08 arc(170.52,249.32) 170.95,249.4 170.98,249.4 arc(171.4,249.32) 171.76,249.08 171.87,248.97 arc(172.33,248.66) 172.88,248.55 173.74,248.55 arc(174.29,248.66) 174.76,248.97 174.84,249.05 arc(175.23,249.31) 175.68,249.4 176.54,249.4 arc(177.09,249.51) 177.56,249.82 177.69,249.96 arc(178.02,250.18) 178.4,250.25 178.52,250.25 arc(179,250.35) 179.4,250.62 179.56,250.78 arc(179.92,251.02) 180.35,251.1 180.4,251.1 arc(180.8,251.02) 181.14,250.8 181.45,250.49 arc(181.51,250.37) 181.49,250.23 181.44,250.15 arc(181.3,250.03) 181.12,250.05 J1.185
DDR0_DQS3_P: length 71.7
  TOP w0.127: U1.AR49 v1(137.75,214.05)
  ART05 w0.112: v1(137.75,214.05) 137.93,214.23 137.93,214.42 138.17,214.66 147.31,214.66 147.63,214.98 147.63,215
  ART05 w0.117: J1.186 181.81,250.37 arc(181.74,250.52) 181.64,250.64 181.32,250.97 arc(180.9,251.25) 180.4,251.35 180.35,251.35 arc(179.83,251.24) 179.39,250.95 179.23,250.79 arc(178.9,250.57) 178.52,250.5 178.4,250.5 arc(177.93,250.4) 177.52,250.13 177.38,250 arc(177,249.74) 176.54,249.65 175.68,249.65 arc(175.13,249.54) 174.67,249.23 174.59,249.15 arc(174.2,248.89) 173.74,248.8 172.88,248.8 arc(172.43,248.89) 172.04,249.15 171.94,249.25 arc(171.5,249.54) 170.98,249.65 170.95,249.65 arc(170.43,249.54) 169.99,249.25 169.86,249.12 arc(169.5,248.88) 169.08,248.8 169.05,248.8 arc(168.62,248.88) 168.26,249.12 168.1,249.28 arc(167.7,249.55) 167.23,249.65 166.32,249.65 164.27,247.59 164.27,244.69 155.48,235.91 155.48,222.85 147.63,215
DDR0_DQS4_N: length 42.4
  TOP w0.127: U1.BK56 v1(144.75,199.05)
  ART14 w0.122: 146.43,197.86 146.4,197.86 146.37,197.83 146.03,197.83 145.21,198.66 144.28,198.66 144.16,198.78 144.16,198.92 144.29,199.05 v1(144.75,199.05)
  ART14 w0.135: J1.244 181.35,195.23 arc(181.16,195.25) 180.98,195.26 180.38,195.26 arc(179.83,195.15) 179.36,194.84 179.25,194.73 arc(178.9,194.49) 178.48,194.41 178.45,194.41 arc(178.03,194.49) 177.67,194.73 177.56,194.84 arc(177.1,195.15) 176.55,195.26 175.68,195.26 arc(175.13,195.15) 174.66,194.84 174.58,194.75 arc(174.2,194.49) 173.75,194.41 172.88,194.41 arc(172.43,194.49) 172.05,194.75 171.94,194.86 arc(171.5,195.15) 170.98,195.26 170.95,195.26 arc(170.43,195.15) 169.99,194.86 169.86,194.73 arc(169.5,194.49) 169.08,194.41 169.05,194.41 arc(168.63,194.49) 168.27,194.73 168.16,194.84 arc(167.7,195.15) 167.15,195.26 151.47,195.26 148.87,197.86 146.43,197.86
DDR0_DQS4_P: length 42.3
  TOP w0.127: U1.BK55 v1(143.75,199.05)
  ART14 w0.122: 146.43,197.6 146.4,197.6 146.37,197.62 145.94,197.62 145.12,198.44 144.19,198.44 143.95,198.69 143.95,198.85 v1(143.75,199.05)
  ART14 w0.135: 146.43,197.6 148.76,197.6 151.37,194.99 167.15,194.99 arc(167.6,194.91) 167.98,194.65 168.09,194.54 arc(168.53,194.25) 169.05,194.14 169.08,194.14 arc(169.6,194.25) 170.04,194.54 170.17,194.67 arc(170.53,194.91) 170.95,194.99 170.98,194.99 arc(171.4,194.91) 171.76,194.67 171.87,194.56 arc(172.33,194.25) 172.88,194.14 173.75,194.14 arc(174.3,194.25) 174.76,194.56 174.85,194.65 arc(175.23,194.91) 175.68,194.99 176.55,194.99 arc(177,194.91) 177.38,194.65 177.49,194.54 arc(177.93,194.25) 178.45,194.14 178.48,194.14 arc(179,194.25) 179.44,194.54 179.55,194.65 arc(179.93,194.91) 180.38,194.99 180.89,194.99 arc(181.03,194.96) 181.13,194.85 arc(181.14,194.68) 181.04,194.56 J1.245
DDR0_DQS5_N: length 50.3
  TOP w0.127: U1.BP53 v1(141.75,195.05)
  ART14 w0.122: 142.52,191.55 142.52,191.59 142.14,191.96 142.14,195.33 142.03,195.44 141.87,195.44 141.75,195.32 v1(141.75,195.05)
  ART14 w0.135: J1.255 181.13,185.45 arc(181.32,185.43) 181.47,185.55 181.49,185.58 arc(181.52,185.74) 181.44,185.88 181.14,186.19 arc(180.8,186.42) 180.41,186.49 180.35,186.49 arc(179.93,186.41) 179.57,186.17 179.41,186.01 arc(179,185.74) 178.52,185.64 178.4,185.64 arc(178.02,185.57) 177.7,185.36 177.56,185.21 arc(177.1,184.9) 176.55,184.79 175.68,184.79 arc(175.23,184.71) 174.85,184.45 174.76,184.36 arc(174.3,184.05) 173.75,183.94 172.88,183.94 arc(172.33,184.05) 171.87,184.36 171.76,184.47 arc(171.4,184.71) 170.98,184.79 170.95,184.79 arc(170.53,184.71) 170.17,184.47 170.04,184.34 arc(169.6,184.05) 169.08,183.94 169.05,183.94 arc(168.53,184.05) 168.09,184.34 167.93,184.5 arc(167.6,184.72) 167.21,184.79 160.7,184.79 159.8,185.7 148.37,185.7 142.52,191.55
DDR0_DQS5_P: length 50.2
  TOP w0.127: U1.BN53 v1(141.75,196.05)
  ART14 w0.122: v1(141.75,196.05) 141.75,195.81 141.91,195.66 142.11,195.66 142.36,195.41 142.36,192.05 142.67,191.74 142.71,191.74
  ART14 w0.135: J1.256 181.83,185.75 arc(181.75,185.92) 181.63,186.06 181.32,186.38 arc(180.9,186.66) 180.41,186.76 180.35,186.76 arc(179.83,186.65) 179.38,186.36 179.22,186.19 arc(178.9,185.98) 178.52,185.91 178.4,185.91 arc(177.92,185.81) 177.52,185.54 177.37,185.4 arc(176.99,185.14) 176.55,185.06 175.68,185.06 arc(175.13,184.95) 174.66,184.64 174.58,184.55 arc(174.2,184.29) 173.75,184.21 172.88,184.21 arc(172.43,184.29) 172.05,184.55 171.94,184.66 arc(171.5,184.95) 170.98,185.06 170.95,185.06 arc(170.43,184.95) 169.99,184.66 169.86,184.53 arc(169.5,184.29) 169.08,184.21 169.05,184.21 arc(168.63,184.29) 168.27,184.53 168.12,184.68 arc(167.7,184.96) 167.21,185.06 160.81,185.06 159.91,185.96 148.48,185.96 142.71,191.74
DDR0_DQS6_N: length 58.7
  TOP w0.127: U1.BK52 v1(140.75,199.05)
  ART05 w0.112: v1(140.75,199.05) 140.38,199.05 140.27,199.16 140.27,199.32 140.39,199.44 145.17,199.44 145.43,199.7 146.19,199.7 146.2,199.69 146.23,199.69
  ART05 w0.117: J1.266 181.81,175.58 arc(181.74,175.43) 181.64,175.31 181.32,174.99 arc(180.9,174.7) 180.4,174.6 179.93,174.6 arc(179.48,174.79) 179.29,175.24 179.29,176.77 arc(179.18,177.04) 178.9,177.15 178.39,177.15 arc(177.92,177.25) 177.53,177.51 177.38,177.65 arc(177,177.91) 176.54,178 175.68,178 arc(175.23,177.91) 174.84,177.65 174.76,177.57 arc(174.29,177.26) 173.74,177.15 172.88,177.15 arc(172.33,177.26) 171.87,177.57 171.76,177.68 arc(171.4,177.92) 170.98,178 170.95,178 arc(170.52,177.92) 170.16,177.68 170.04,177.55 arc(169.6,177.26) 169.08,177.15 169.05,177.15 arc(168.53,177.26) 168.09,177.55 167.95,177.69 arc(167.6,177.92) 167.19,178 166.39,178 163.87,180.52 163.87,184 148.17,199.69 146.23,199.69
DDR0_DQS6_P: length 58.8
  TOP w0.127: U1.BK51 v1(139.75,199.05)
  ART05 w0.112: 146.23,199.94 146.2,199.94 146.19,199.93 145.34,199.93 145.08,199.66 140.3,199.66 140.05,199.41 140.05,199.36 139.75,199.06 v1(139.75,199.05)
  ART05 w0.117: 146.23,199.94 148.27,199.94 164.11,184.1 164.11,180.62 166.49,178.25 167.19,178.25 arc(167.7,178.15) 168.13,177.86 168.26,177.72 arc(168.62,177.48) 169.05,177.4 169.08,177.4 arc(169.5,177.48) 169.86,177.72 169.99,177.85 arc(170.43,178.14) 170.95,178.25 170.98,178.25 arc(171.5,178.14) 171.94,177.85 172.04,177.75 arc(172.43,177.49) 172.88,177.4 173.74,177.4 arc(174.2,177.49) 174.59,177.75 174.67,177.83 arc(175.13,178.14) 175.68,178.25 176.54,178.25 arc(177.09,178.14) 177.56,177.83 177.7,177.68 arc(178.02,177.47) 178.39,177.4 178.9,177.4 arc(179.35,177.21) 179.53,176.77 179.53,175.24 arc(179.65,174.96) 179.93,174.85 180.4,174.85 arc(180.8,174.93) 181.15,175.16 181.45,175.46 arc(181.51,175.59) 181.49,175.73 181.46,175.79 arc(181.31,175.91) 181.12,175.9 J1.267
DDR0_DQS7_N: length 63.4
  TOP w0.127: U1.BN48 v1(136.75,196.05)
  ART05 w0.112: 137.11,191.6 137.11,191.63 137.1,191.64 137.1,191.95 137.36,192.22 137.36,195.35 137.11,195.6 136.86,195.6 136.75,195.72 v1(136.75,196.05)
  ART05 w0.117: 137.11,191.6 137.11,190.24 161,166.35 167.18,166.35 arc(167.7,166.24) 168.13,165.95 168.26,165.82 arc(168.62,165.58) 169.05,165.5 169.08,165.5 arc(169.5,165.58) 169.86,165.82 169.99,165.95 arc(170.43,166.24) 170.95,166.34 170.98,166.34 arc(171.5,166.24) 171.94,165.95 172.04,165.84 arc(172.43,165.59) 172.88,165.5 173.74,165.5 arc(174.2,165.59) 174.59,165.85 174.67,165.93 arc(175.13,166.24) 175.68,166.35 176.54,166.35 arc(177,166.44) 177.38,166.7 177.49,166.8 arc(177.93,167.09) 178.45,167.2 178.48,167.2 arc(178.99,167.09) 179.43,166.8 179.54,166.7 arc(179.93,166.44) 180.38,166.35 180.88,166.35 arc(181.01,166.38) 181.11,166.49 181.13,166.52 arc(181.14,166.67) 181.05,166.79 J1.277
DDR0_DQS7_P: length 63.3
  TOP w0.127: U1.BP48 v1(136.75,195.05)
  ART05 w0.112: 136.86,191.6 136.86,191.63 136.87,191.64 136.87,192.05 137.14,192.31 137.14,195.26 137.02,195.38 136.86,195.38 136.75,195.27 v1(136.75,195.05)
  ART05 w0.117: J1.278 181.31,166.12 arc(181.16,166.11) 181.01,166.1 180.38,166.1 arc(179.83,166.21) 179.37,166.52 179.26,166.63 arc(178.9,166.87) 178.48,166.95 178.45,166.95 arc(178.02,166.87) 177.66,166.63 177.56,166.52 arc(177.09,166.21) 176.54,166.1 175.68,166.1 arc(175.23,166.01) 174.84,165.75 174.76,165.67 arc(174.29,165.36) 173.74,165.25 172.88,165.25 arc(172.33,165.36) 171.87,165.67 171.77,165.77 arc(171.41,166.02) 170.98,166.1 170.95,166.1 arc(170.52,166.02) 170.16,165.77 170.04,165.65 arc(169.6,165.36) 169.08,165.25 169.05,165.25 arc(168.53,165.36) 168.09,165.65 167.96,165.78 arc(167.6,166.02) 167.18,166.1 160.9,166.1 136.86,190.14 136.86,191.6
DDR0_ECC_DM_N: length 70.3
  TOP w0.127: U1.AY53 v1(141.75,209.05)
  ART14 w0.122: v1(141.75,209.05) 142.06,209.36 142.06,209.64 142.14,209.72 142.14,210.31 142.49,210.66 147.41,210.66 147.68,210.38 148.13,210.38 148.15,210.4 148.18,210.4
  ART14 w0.135: 148.18,210.4 150.73,210.4 157.85,217.53 157.85,234.4 159.03,235.58 159.03,235.77 158.57,236.22 158.57,236.63 159.17,237.23 159.58,237.23 160.03,236.77 160.22,236.77 160.66,237.22 160.66,237.41 160.21,237.86 160.21,238.27 160.81,238.87 161.22,238.87 161.67,238.41 161.86,238.41 162.3,238.86 162.3,239.05 161.85,239.5 161.85,239.91 162.45,240.5 162.86,240.5 163.31,240.05 163.5,240.05 163.94,240.5 163.94,240.69 163.49,241.14 163.49,241.55 164.09,242.14 164.5,242.14 164.95,241.69 165.14,241.69 166.3,242.85 167.17,242.85 arc(167.72,242.74) 168.19,242.43 168.31,242.3 arc(168.64,242.09) 169.02,242.01 169.05,242.01 arc(169.44,242.09) 169.76,242.3 169.89,242.43 arc(170.35,242.74) 170.9,242.85 170.96,242.85 arc(171.51,242.74) 171.97,242.43 172.05,242.35 arc(172.43,242.1) 172.87,242.01 173.58,242.01 arc(174.03,242.1) 174.41,242.35 174.49,242.43 arc(174.95,242.74) 175.5,242.85 176.62,242.85 arc(177.11,242.75) 177.52,242.47 177.79,242.21 arc(177.94,242.01) 178.05,241.79 J1.52
DDR0_ECC_DM_P: length 70.3
  TOP w0.127: U1.AY54 v1(142.75,209.05)
  ART14 w0.122: v1(142.75,209.05) 142.4,209.05 142.27,209.17 142.27,209.55 142.36,209.63 142.36,210.23 142.57,210.44 147.32,210.44 147.59,210.17 148.13,210.17 148.15,210.14 148.18,210.14
  ART14 w0.135: J1.51 177.35,241.53 arc(177.52,241.52) 177.66,241.63 177.67,241.64 arc(177.7,241.84) 177.61,242.02 177.34,242.29 arc(177.01,242.51) 176.62,242.59 175.5,242.59 arc(175.05,242.5) 174.67,242.25 174.59,242.17 arc(174.13,241.86) 173.58,241.75 172.87,241.75 arc(172.33,241.86) 171.86,242.17 171.79,242.25 arc(171.41,242.5) 170.96,242.59 170.9,242.59 arc(170.45,242.5) 170.07,242.25 169.95,242.12 arc(169.54,241.85) 169.05,241.75 169.02,241.75 arc(168.54,241.85) 168.13,242.12 168,242.25 arc(167.62,242.5) 167.17,242.59 166.4,242.59 165.25,241.43 164.84,241.43 164.39,241.88 164.2,241.88 163.75,241.44 163.75,241.25 164.2,240.8 164.2,240.39 163.61,239.79 163.2,239.79 162.75,240.24 162.56,240.24 162.11,239.8 162.11,239.61 162.57,239.16 162.57,238.75 161.97,238.15 161.56,238.15 161.11,238.6 160.92,238.6 160.47,238.16 160.47,237.97 160.93,237.52 160.93,237.11 160.33,236.51 159.92,236.51 159.47,236.96 159.28,236.96 158.84,236.52 158.84,236.33 159.29,235.88 159.29,235.47 158.11,234.29 158.11,217.42 150.84,210.14 148.18,210.14
DDR0_ECC_DQ0: length 72.3
  TOP w0.173: U1.AV53 v1(141.75,211.05)
  ART14 w0.15: v1(141.75,211.05) 142.23,211.53 145.17,211.53 145.28,211.41 150.31,211.41 156.84,217.94 156.84,236.32 157.7,237.18 157.7,237.39 157,238.1 157,238.31 157.3,238.61 157.51,238.61 158.22,237.91 158.43,237.91 158.73,238.21 158.73,238.42 158.03,239.13 158.03,239.34 158.33,239.64 158.54,239.64 159.25,238.94 159.46,238.94 159.76,239.24 159.76,239.45 159.05,240.16 159.05,240.37 159.36,240.67 159.57,240.67 160.28,239.96 160.49,239.96 160.79,240.27 160.79,240.48 160.08,241.18 160.08,241.4 160.39,241.7 160.6,241.7 161.3,240.99 161.52,240.99 161.82,241.3 161.82,241.51 161.11,242.21 161.11,242.43 161.42,242.73 161.63,242.73 162.33,242.02 162.55,242.02 164.95,244.42 167.15,244.42 arc(167.65,244.33) 168.07,244.04 168.18,243.94 arc(168.58,243.67) 169.05,243.58 169.08,243.58 arc(169.55,243.67) 169.95,243.94 170.08,244.06 arc(170.48,244.33) 170.95,244.42 170.98,244.42 arc(171.45,244.33) 171.85,244.06 171.92,243.99 arc(172.38,243.68) 172.92,243.58 J1.49
DDR0_ECC_DQ1: length 71.7
  TOP w0.173: U1.AU54 v1(142.75,212.05)
  ART14 w0.15: v1(142.75,212.05) 143.22,212.52 145.16,212.52 145.6,212.07 150.04,212.07 156.18,218.22 156.18,238.43 161.67,243.92 161.89,243.92 162.59,243.22 162.8,243.22 163.11,243.52 163.11,243.73 162.62,244.22 162.62,244.43 162.92,244.73 163.13,244.73 163.62,244.24 163.83,244.24 164.14,244.55 164.14,244.76 163.65,245.25 163.65,245.46 163.95,245.76 164.16,245.76 164.65,245.27 164.86,245.27 165.71,246.12 167.13,246.12 arc(167.65,246.02) 168.08,245.73 168.18,245.64 arc(168.58,245.37) 169.05,245.28 169.08,245.28 arc(169.55,245.37) 169.95,245.64 170.08,245.76 arc(170.48,246.03) 170.95,246.12 170.98,246.12 arc(171.45,246.03) 171.85,245.76 171.92,245.69 arc(172.38,245.38) 172.92,245.28 173.7,245.28 arc(174.24,245.17) 174.7,244.86 174.72,244.84 arc(175.18,244.53) 175.72,244.42 176.5,244.42 arc(177.04,244.32) 177.5,244.01 177.58,243.94 arc(177.98,243.67) 178.45,243.58 178.48,243.58 arc(178.95,243.48) 179.35,243.21 179.42,243.14 arc(179.88,242.83) 180.42,242.73 J1.194
DDR0_ECC_DQ2: length 76.3
  TOP w0.173: U1.AU55 v1(143.75,212.05)
  BOTTOM w0.173: v1(143.75,212.05) 144.29,211.51 154.6,211.51 159.79,216.7 159.79,232.71 160.5,233.42 160.5,233.67 159.32,234.84 159.32,235.09 159.63,235.39 159.87,235.39 161.05,234.22 161.29,234.22 161.6,234.52 161.6,234.77 160.42,235.94 160.42,236.19 160.72,236.49 160.97,236.49 162.15,235.31 162.39,235.31 162.7,235.62 162.7,235.86 161.52,237.04 161.52,237.29 161.82,237.59 162.07,237.59 163.25,236.41 163.49,236.41 163.8,236.72 163.8,236.96 162.62,238.14 162.62,238.39 162.92,238.69 163.17,238.69 164.35,237.51 164.59,237.51 164.9,237.82 164.9,238.06 163.72,239.24 163.72,239.49 164.02,239.79 164.27,239.79 165.45,238.61 165.69,238.61 166.4,239.32 167.11,239.32 arc(167.64,239.22) 168.1,238.91 168.18,238.83 arc(168.58,238.57) 169.05,238.48 169.08,238.48 arc(169.55,238.57) 169.95,238.83 170.08,238.97 arc(170.48,239.23) 170.95,239.32 170.98,239.32 arc(171.45,239.23) 171.85,238.97 171.93,238.89 arc(172.38,238.58) 172.92,238.48 173.71,238.48 arc(174.24,238.58) 174.7,238.88 174.72,238.91 arc(175.18,239.21) 175.71,239.32 176.25,239.32 arc(177.03,239.16) 177.69,238.72 177.98,238.44 arc(178.22,238.06) J1.56
DDR0_ECC_DQ3: length 76.1
  TOP w0.173: U1.AV55 v1(143.75,211.05)
  BOTTOM w0.173: J1.201 178.52,236.77 arc(177.98,236.88) 177.52,237.19 177.5,237.21 arc(177.04,237.52) 176.5,237.62 175.72,237.62 arc(175.18,237.52) 174.73,237.21 174.7,237.19 arc(174.24,236.88) 173.7,236.77 172.92,236.77 arc(172.38,236.88) 171.93,237.19 171.85,237.27 arc(171.45,237.53) 170.98,237.62 170.95,237.62 arc(170.48,237.53) 170.08,237.27 169.95,237.13 arc(169.55,236.87) 169.08,236.77 169.05,236.77 arc(168.58,236.87) 168.18,237.13 168.1,237.21 arc(167.64,237.52) 167.11,237.62 166.4,237.62 160.56,231.78 160.56,230.93 160.74,230.76 162.01,230.76 162.18,230.59 162.18,230.16 162.01,229.98 160.74,229.98 160.56,229.81 160.56,229.38 160.74,229.21 162.01,229.21 162.18,229.03 162.18,228.6 162.01,228.43 160.74,228.43 160.56,228.26 160.56,227.82 160.74,227.65 162.01,227.65 162.18,227.48 162.18,227.05 162.01,226.87 160.74,226.87 160.56,226.7 160.56,226.27 160.74,226.1 162.01,226.1 162.18,225.92 162.18,225.49 162.01,225.32 160.74,225.32 160.56,225.15 160.56,224.72 160.74,224.54 162.01,224.54 162.18,224.37 162.18,223.94 162.01,223.77 160.74,223.77 160.56,223.59 160.56,223.16 160.74,222.99 162.01,222.99 162.18,222.82 162.18,222.38 162.01,222.21 160.74,222.21 160.56,222.04 160.56,216.37 154.74,210.55 144.25,210.55 v1(143.75,211.05)
DDR0_ECC_DQ4: length 81.4
  TOP w0.173: U1.BA53 v1(141.75,208.05)
  BOTTOM w0.173: v1(141.75,208.05) 142.25,208.55 142.25,212.25 142.55,212.55 142.9,212.55 143.25,212.9 143.25,213.25 143.55,213.55 152.09,213.55 156.5,217.96 156.5,237.81 157,238.31 157,238.56 156.33,239.22 156.33,239.47 156.64,239.77 156.88,239.77 157.55,239.1 157.8,239.1 158.1,239.41 158.1,239.65 157.43,240.32 157.43,240.57 157.74,240.87 157.98,240.87 158.65,240.2 158.9,240.2 159.2,240.51 159.2,240.75 158.53,241.42 158.53,241.67 158.84,241.97 159.08,241.97 159.75,241.3 160,241.3 160.3,241.61 160.3,241.85 159.63,242.52 159.63,242.77 159.94,243.07 160.18,243.07 160.85,242.4 161.1,242.4 161.4,242.71 161.4,242.95 160.73,243.62 160.73,243.87 161.04,244.17 161.28,244.17 161.95,243.5 162.19,243.5 162.5,243.81 162.5,244.05 161.83,244.72 161.83,244.96 162.14,245.27 162.38,245.27 163.05,244.6 163.29,244.6 163.6,244.91 163.6,245.15 162.93,245.82 162.93,246.06 163.24,246.37 163.48,246.37 164.15,245.7 164.39,245.7 164.82,246.12 167.11,246.12 arc(167.64,246.02) 168.1,245.71 168.18,245.63 arc(168.58,245.37) 169.05,245.28 169.08,245.28 arc(169.55,245.37) 169.95,245.63 170.08,245.77 arc(170.48,246.03) 170.95,246.12 170.98,246.12 arc(171.45,246.03) 171.85,245.77 171.93,245.69 arc(172.38,245.38) 172.92,245.28 J1.47
DDR0_ECC_DQ5: length 79.9
  TOP w0.173: U1.BA55 v1(143.75,208.05)
  BOTTOM w0.173: J1.192 180.42,244.43 arc(179.88,244.32) 179.42,244.01 179.35,243.93 arc(178.95,243.67) 178.48,243.58 178.44,243.58 arc(177.98,243.67) 177.58,243.93 177.5,244.01 arc(177.04,244.32) 176.5,244.42 175.72,244.42 arc(175.18,244.32) 174.73,244.01 174.7,243.99 arc(174.24,243.68) 173.7,243.58 172.92,243.58 arc(172.38,243.68) 171.93,243.99 171.85,244.07 arc(171.45,244.33) 170.98,244.42 170.95,244.42 arc(170.48,244.33) 170.08,244.07 169.95,243.93 arc(169.55,243.67) 169.08,243.58 169.05,243.58 arc(168.58,243.67) 168.18,243.93 168.1,244.02 arc(167.65,244.32) 167.11,244.42 164.22,244.42 163.4,243.61 163.4,243.36 163.98,242.78 163.98,242.54 163.67,242.23 163.43,242.23 162.85,242.81 162.6,242.81 162.3,242.51 162.3,242.26 162.88,241.68 162.88,241.44 162.57,241.13 162.33,241.13 161.75,241.71 161.5,241.71 161.2,241.41 161.2,241.16 161.78,240.58 161.78,240.34 161.47,240.04 161.23,240.04 160.65,240.61 160.41,240.61 160.1,240.31 160.1,240.06 160.68,239.49 160.68,239.24 160.37,238.94 160.13,238.94 159.55,239.51 159.31,239.51 159,239.21 159,238.96 159.58,238.39 159.58,238.14 159.27,237.84 159.03,237.84 158.45,238.42 158.21,238.42 157.28,237.48 157.28,217.63 152.19,212.55 143.61,212.55 143.25,212.19 U1.BA55 v1(143.75,208.05)
